# Altium PCB LTE-To-Serial-Adapter.PcbDoc (part 2 of 2)
Units mil, origin at the board's own origin, x right, y up, seen from the top; angles counter-clockwise.
Board outline 3800 x 1540 mil, 4 copper layers (Top Layer, Mid Layer 1 Sig, Mid Layer 2 GND, Bottom Layer), stack 63.912 mil thick; 80 components, 50 nets, 250 pads, 82 vias.
Unrouted connection lines stored in the file: 40.
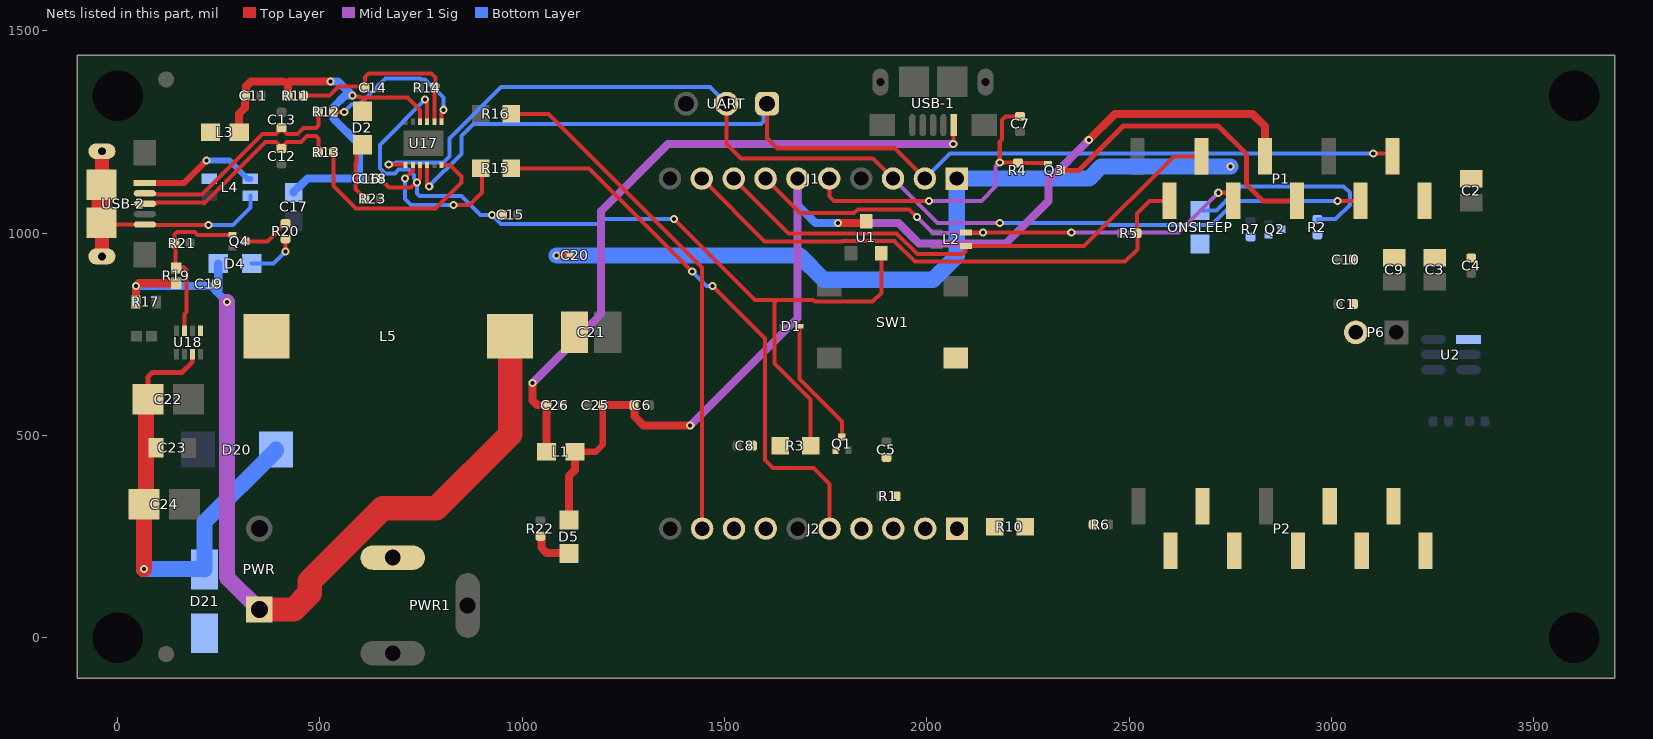
[diagram p4: the nets of this part, all layers, seen from the top]

## Via types
v1: diameter 20, hole 10, Top Layer to Bottom Layer, 76 vias
v2: diameter 19.68, hole 7.87, Top Layer to Bottom Layer, 6 vias

## Nets (pads, with @x,y where several pads share a name; then routed paths per layer and width w, separated by ;. In a path a pad name is that pad's centre, name@x,y a point inside that pad or via, vN(x,y) a via of type N, cw(c..) or ccw(c..) an arc to the next point about the centre after c; other vN are vias at no path point) (continued)
NetD2_1: D2.1 R23.2 | length 150.4
  Top Layer w10: D2.1@605,1218.66 590,1203.66 590,1175 587.88,1172.88 587.88,1109.2 611.1,1085.98 R23.2@611.1,1085
NetD4_1: D4.1 R20.2 | length 127.2
  Top Layer w10: v1(415,955) R20.2@415,986.1
  Bottom Layer w10: D4.1@331.34,925 385,925 v1(415,955)
NetD5_1: D5.1 R22.2 | length 103.4
  Top Layer w20: R22.2@1045,251.1 1045.98,251.1 1047.2,249.88 1047.2,222.8 1060,210 1113.66,210 D5.1@1115,208.66
NetJ2_1: J2.1 R10.1
NetL3_2: L3.2 L4.3
NetL4_1: L4.1 USB-2.5 USB-2.MH1 | length 670.5
  Top Layer w10: USB-2.MH1@-38.57,1021.94 -38.21,1021.57 USB-2.5@67.28,1021.57 68.07,1020.79 224.21,1020.79 v1(225,1020)
  Top Layer w35: USB-2.MH1@-38.57,940.08 USB-2.MH1@-38.57,1021.94 ; USB-2.MH1@-38.57,1118.39 USB-2.MH1@-38.57,1199.92
  Top Layer w50: USB-2.MH1@-39.55,1025.51 USB-2.MH1@-39.55,1117.41
  Bottom Layer w10: v1(225,1020) 285,1020 328,1063 L4.1@328,1093
NetL4_4: L4.4 USB-2.1 | length 303
  Top Layer w15: USB-2.1@67.28,1123.94 163.94,1123.94 v1(220,1180)
  Bottom Layer w15: v1(220,1180) 276,1180 322,1134 L4.4@328,1134
NetONSLEEP_1: ONSLEEP.1 R2.2 | length 525.5
  Bottom Layer w10: ONSLEEP.1@2675,1056.34 2715.17,1056.34 2758.84,1100 2760,1100 2775,1115 3030,1115 3045,1100 3045,1070 3010,1035 2966.1,1035 R2.2@2965,1033.9
NetQ2_3: Q2.3 R2.1
NetQ4_3: Q4.3 R20.1 | length 117.4
  Top Layer w10: Q4.3@315.75,980 370.12,980 414.02,1023.9 R20.1@415,1023.9
PG: Q4.1 R19.1 R21.2 U18.7 | length 413.7
  Top Layer w10: U18.7@165.16,758.94 164.43,759.67 165,760.24 165,800 170,805 170,909.14 164.14,915 146.3,915 R19.1@145,913.7 143.05,915.65 143.05,973.05 R21.2@141.1,975 141.1,996.63 146.96,1002.49 191.15,1002.49 197.89,995.75 Q4.1@284.25,995.75
RESET: C14.2 R11.1 R14.2 U17.2 | length 480.9
  Top Layer w10: R11.1@458.9,1340 524,1340 546,1362 609.1,1362 C14.2@611.1,1360 611.1,1386.1 620,1395 775,1395 785,1385 785,1361.1 R14.2@783.9,1360 782.8,1358.9 782.8,1275.08 U17.2@782.72,1275
RTS#: R15.1 U17.8 | length 361.4
  Top Layer w10: v1(710,1135) 729.49,1154.49 729.49,1168.62 U17.8@729.57,1168.7 ; v1(830,1070) 870,1070 900,1100 900,1157.6 R15.1@897.6,1160
  Bottom Layer w10: v1(710,1135) 710,1085 725,1070 v1(830,1070)
SKY_ADC/RING: J2.2 P2.9
SKY_CTS: J2.9 P2.2 R16.2 | length 1274.8
  Top Layer w10: R16.2@972.4,1295 1065,1295 1444.41,915.59 J2.9@1444.41,270
SKY_DIN: J1.3 P1.3 U17.7 UART.2 | length 2774
  Top Layer w10: v1(670,1170) 670.65,1169.35 711.77,1169.35 711.85,1169.27 U17.7@711.85,1168.7 ; UART.2@1505,1320 1505,1220 1540,1185 1866.18,1185 J1.3@1916.18,1135 ; v1(3015,1080) 3071.73,1080 P1.3@3071.85,1079.88
  Mid Layer 1 Sig w10: J1.3@1916.18,1135 2026.18,1025 v1(2180,1025)
  Bottom Layer w10: v1(670,1170) 671.91,1171.91 685.37,1171.91 688.46,1175 804.85,1175 819.92,1190.08 819.92,1233.96 947.49,1361.53 1463.47,1361.53 UART.2@1505,1320 ; v1(2180,1025) 2446.01,1025 2450.29,1020.72 2703.59,1020.72 2762.88,1080 v1(3015,1080)
SKY_DIO2: J2.3 P2.8
SKY_DIO3: J2.4 P2.7
SKY_DOUT: J1.2 P1.2 U17.10 UART.1 | length 2723.1
  Top Layer w10: U17.10@765,1168.7 765,1122.71 770,1117.71 v1(770,1115) ; UART.1@1605,1320 1605,1235 1630,1210 1919.92,1210 J1.2@1994.92,1135 ; v1(3103,1197) 3143.71,1197 P1.2@3150.59,1190.12
  Bottom Layer w10: v1(770,1115) 770,1116.11 850,1196.11 850,1240 880,1270 1590,1270 1595.86,1275.86 1595.86,1310.86 UART.1@1605,1320 ; J1.2@1994.92,1135 2056.92,1197 v1(3103,1197)
SKY_DTR: J1.9 P1.9 R5.2 | length 1356.9
  Top Layer w10: J1.9@1443.74,1135 1598.74,980 1791.53,980 1791.88,980.35 1920,980.35 1920,980 1970,930 2490,930 2520,960 2520,998.9 R5.2@2518.9,1000 2518.9,1048.9 2550,1080 2599.29,1080 P1.9@2599.41,1079.88
SKY_nRESET: P1.5 Q3.3 | length 749.8
  Top Layer w12: Q3.3@2330.75,1155 2375,1155 2485,1265 2720,1265 2790,1195 2790,1120 2830.12,1079.88 P1.5@2914.37,1079.88
Sky_ON_OFF_SW: C5.1 P6.2 Q1.1 R1.2 R10.2
SKY_ONOFF: D1.2 P2.10 Q1.3 SW1.1 | length 317.8
  Top Layer w10: D1.2@1684.88,770 1684.88,640.12 1790,535 Q1.3@1790,495.75
SKY_ONSLEEP: J2.8 P2.3 Q2.1 R7.2
SKY_RESET: C7.1 J1.5 Q3.1 R4.2 | length 815.1
  Top Layer w10: J1.5@1758.7,1135 1758.7,1091.3 1770,1080 v1(2005,1080) ; C7.1@2230,1288.9 2193.9,1288.9 2185,1280 2185,1231.35 2180,1226.35 v1(2180,1175) 2180.55,1174.45 2224.45,1174.45 R4.2@2225,1173.9 2293.54,1173.9 2296.69,1170.75 Q3.1@2299.25,1170.75
  Mid Layer 1 Sig w10: v1(2005,1080) 2135,1080 2170,1115 2170,1165 v1(2180,1175)
SKY_RTS: J2.5 P2.6 R6.2 R15.2 | length 1396.2
  Top Layer w10: R15.2@972.4,1160 1165,1160 v1(1420,905) ; v1(1470,870) 1600,740 1600,440 1620,420 1720,420 1759.37,380.63 J2.5@1759.37,270
  Bottom Layer w10: v1(1420,905) 1455,870 v1(1470,870)
SKY_USB_N: J1.8 L2.2 P1.8 | length 1340
  Top Layer w10: J1.8@1522.48,1135 1657.83,999.65 1925.35,999.65 1976.61,948.39 2088.39,948.39 2095,955 2095,966.85 L2.2@2096.42,968.27 2388.27,968.27 2610.12,1190.12 P1.8@2678.15,1190.12
SKY_USB_P: J1.7 L2.3 P1.7 | length 1315.2
  Top Layer w10: J1.7@1601.22,1135 1686.22,1050 1820.19,1050 1829.28,1059.09 1955.91,1059.09 v1(1975,1040) ; L2.3@2096.42,1001.73 v1(2138.27,1001.73) v1(2356.73,1001.73) ; v1(2720,1100) 2744.37,1100 2756.89,1087.48 P1.7@2756.89,1079.88
  Mid Layer 1 Sig w10: v1(1975,1040) 2015,1000 2136.54,1000 v1(2138.27,1001.73) ; v1(2356.73,1001.73) 2621.73,1001.73 v1(2720,1100)
SKY_VREF: C8.1 J2.7 P2.4 R3.1
SW: C19.2 L5.1 U18.5
USB_N: C13.2 R12.2 USB-2.2 | length 557.3
  Top Layer w10: USB-2.2@62.73,1095.76 USB-2.2@67.73,1095.76 ; USB-2.2@67.28,1098.35 68.38,1097.25 94.83,1097.25 96.52,1095.55 143.72,1095.55 143.83,1095.65 208.33,1095.65 357.68,1245 391.94,1245 398.17,1251.23 398.17,1254.93 404.35,1261.1 C13.2@405,1261.1 405.65,1261.1 411.83,1254.93 411.83,1251.23 418.06,1245 444.77,1245 459.77,1260 490.24,1260 496.1,1265.86 R12.2@496.1,1300
USB_P: C12.2 R13.2 USB-2.3 | length 554.6
  Top Layer w10: USB-2.3@67.28,1072.76 68.38,1073.86 94.83,1073.86 96.52,1075.55 152.01,1075.55 152.11,1075.65 211.23,1075.65 213.92,1072.96 365.96,1225 391.94,1225 398.17,1218.77 398.17,1215.07 404.35,1208.9 C12.2@405,1208.9 405.65,1208.9 411.83,1215.07 411.83,1218.77 418.06,1225 453.05,1225 468.05,1240 490.24,1240 496.1,1234.14 R13.2@496.1,1200
USBD_N: R12.1 U17.1 | length 377.3
  Top Layer w10: R12.1@533.9,1300 v1(560,1300) ; U17.1@800.43,1275 v1@800.43,1297.73
  Bottom Layer w10: v1(560,1300) 578,1318 598,1318 662,1382 748,1382 750,1380 760,1380 805,1335 v1(805,1305)
USBD_P: R13.1 U17.12 | length 526
  Top Layer w10: R13.1@533.9,1200 533.9,1116.1 589.2,1060.8 785.8,1060.8 850,1125 850,1140 821.38,1168.62 U17.12@800.35,1168.62
VBUS_USB1: C11.2 C16.1 C17.2 D2.2 L3.1 R11.2 U17.4 | length 1086.5
  Top Layer w10: v1(580,1340) 581.91,1338.09 595.9,1338.09 598.99,1335 610,1335 ; D2.2@605,1301.34 610,1306.34 610,1335 ; U17.4@747.28,1275 747.28,1304.2 716.48,1335 610,1335
  Top Layer w20: L3.1@300.43,1250 300.43,1295.43 314.88,1309.88 314.88,1338.78 C11.2@316.1,1340 317.32,1341.22 317.32,1362.32 330,1375 409.38,1375 ; R11.2@421.1,1340 421.1,1371.1 425,1375 v1(526.34,1375)
  Bottom Layer w20: C17.2@435,1100.43 435,1102.4 446.65,1114.06 448.62,1114.06 469.57,1135 575,1135 ; v1(526.34,1375) 545,1375 v1(580,1340) 561.82,1340 533,1311.18 533,1283.1 596.1,1220 C16.1@596.1,1135
VCC_3V9: C1.1 C2.1 C3.1 C4.1 C9.1 C10.1 C20.1 C21.1 D4.2 J1.1 L5.2 ONSLEEP.2 P1.1 PWR.1 R17.2 R19.2 U2.1 | length 4261.3
  Top Layer w10: v1(1085,945) C20.1@1118.02,945
  Top Layer w20: R17.2@44.41,830 45,830.59 v1(45,870) 51.3,876.3 R19.2@145,876.3
  Top Layer w60: PWR.1@350,70 435,70 475,110 475,140 655,320 787.33,320 970,502.67 L5.2@970,745
  Mid Layer 1 Sig w40: v1(270,830) 270,150 PWR.1@350,70
  Bottom Layer w20: v1(45,870) 230,870 248.66,851.34 ; D4.2@248.66,925 248.66,851.34 ; v1(270,830) 248.66,851.34
  Bottom Layer w40: v1(1085,945) 1685,945 1745,885 2015,885 2073.66,943.66 J1.1@2073.66,1135 2400.69,1135 2430.69,1165 v1(2750,1165)
VCC_SKY_VREF: C15.1 C18.2 R3.2 U1.2 U17.3 U17.9 | length 2363.6
  Top Layer w10: C18.2@648.9,1135 648.9,1134.35 670.25,1113 725.29,1113 737.29,1125 v1(740,1125) 740,1127.71 747.28,1134.99 U17.9@747.28,1168.7 ; U17.3@765,1275 v1@765,1322.29 ; v1(925,1045) C15.1@951.1,1045 ; v1(1375,1035) 1575,835 1628.86,835 ; R3.2@1712.4,475 1712.4,588.56 1623,677.96 1623,829.14 1628.86,835 ; U1.2@1887.4,950.63 1887.4,852.4 1865.99,830.99 1723.02,830.99 1719.01,835 1628.86,835
  Bottom Layer w10: v1(760,1330) 647.94,1217.94 647.94,1160.94 660.89,1148 685.5,1148 694.5,1157 719.11,1157 732,1144.11 732,1135.71 740,1127.71 v1(740,1125) 740,1097.86 745.86,1092 849.97,1092 896.97,1045 v1(925,1045) 947,1023 1185.59,1023 1197.59,1035 v1(1375,1035)
VCC_SKY_VUSB: C6.1 C25.1 D5.2 J1.6 L1.1 P1.6 U1.3 | length 2900.8
  Top Layer w15: L1.1@1130.43,460 1181.21,460 1198.9,477.69 C25.1@1198.9,575
  Top Layer w20: D5.2@1115,291.34 1115,400 1130,415 1130,459.57 L1.1@1130.43,460 ; C25.1@1198.9,575 C6.1@1276.1,575 1277.32,573.78 1277.32,547.68 1300,525 v1(1415,525) ; v1(1780,1025) 1845.63,1025 U1.3@1850,1029.37 ; v1(2400,1230) 2465,1295 2805,1295 2835.63,1264.37 P1.6@2835.63,1190.12
  Mid Layer 1 Sig w20: v1(1415,525) 1679.96,789.96 J1.6@1679.96,1135 ; v1(1780,1025) 1930,1025 1980.27,974.73 2194.73,974.73 2300,1080 2300,1130 v1(2400,1230)
  Bottom Layer w20: J1.6@1679.96,1135 1679.96,1070.04 1725,1025 v1(1780,1025)
VCC_USB_5V0: C26.1 L1.2 USB-1.1 | length 1681.5
  Top Layer w10: v1(2065,1220) 2065.67,1220.67 2065.67,1266.6 USB-1.1@2066.35,1267.27
  Top Layer w20: v1(1025,630) 1025,586.72 1036.72,575 C26.1@1061.1,575 1060.33,574.23 1060.33,460.77 L1.2@1059.57,460
  Mid Layer 1 Sig w20: v1(1025,630) 1195,800 1195,1055 1360,1220 v1(2065,1220)
VDC_9_24V: D21.2 PWR1.1
VIN: C22.1 C23.1 C24.1 D20.1 D21.1 U18.3 | length 1168.5
  Top Layer w12: C22.1@74.76,590 75,590.24 75,645 85.71,655.71 158.84,655.71 184.54,681.41 184.54,700.76 U18.3@184.84,701.06
  Top Layer w20: 69.76,470 C23.1@94.65,470
  Top Layer w40: v1(65,170) 65,329.76 C24.1@64.76,330 69.76,335 69.76,470 69.76,585 C22.1@74.76,590
  Bottom Layer w40: v1(65,170) 213.74,170 D21.1@215,168.74 215,286.57 391.46,463.03 D20.1@391.46,465
pads on no net: PWR1.2 SW1.2 U17.6 U18.1 U18.2 USB-1.4 USB-1.7 USB-1.8 USB-2.4 USB-2.7 USB-2.8

## Polygon pours and split planes (outlines as drawn)
VCC_3V9 on Top Layer "Top VCC_3V9" (solid, remove dead copper, pour order 19): 2720,660 2690,690 2690,1195 2750,1255 3380,1255 3455,1180 3455,815 3300,660
GND on Top Layer "Top PWR GND" (solid, remove dead copper, pour order 5): 125,675 230,675 270,635 315,635 410,540 410,205 380,175 135,175 105,205 110.42,210.42 110.42,660.42
VCC_3V9 on Top Layer "Mid Layer 2 VCC_3V9" (solid, remove dead copper, pour order 2): 890,950 935,995 1175,995 1185,985 1185,675 1170,660 905,660 890,675
GND on Top Layer "Top GND" (solid, remove dead copper, pour order 16): 1085,840 1088.58,836.42 1338.58,836.42 1400,775 1400,570 1330,500 1100,500 1060,540 1060,820 1075,835 1095,835
SW on Top Layer "Top SW" (solid, remove dead copper, pour order 18): 195,895 390,895 448.95,836.05 448.95,663.95 430,645 250,645 195,700
GND on Bottom Layer "Bottom GND" (solid, remove dead copper, pour order 11): 220,330 300,410 1300,410 1410,300 1410,200 1375,165 220,165
GND on Bottom Layer "Bottom GND" (solid, remove dead copper, pour order 6): -55,775 -30,800 380,800 445,735 445,235 375,165 -35,165 -55,190 -55,195
VDC_9_24V on Bottom Layer "VDC_9_24V" (solid, remove dead copper, pour order 22): 435,85 605,255 810,255 820,245 820,45 795,20 460,20 375,-65 160,-65 120,-25 120,65 140,85 120,65 140,85
GND on Bottom Layer "Bottom GND" (solid, remove dead copper, pour order 12): 1145,850 1620,850 1670,800 1740,800 1800,740 1800,155 1785,140 1780,145 1185,145 1145,185
GND on Mid Layer 2 GND "MID-2 GND" (solid, remove dead copper, pour order 21): -95,1435 3695,1435 3700,1440 3700,-95 -105,-95 -100,-90 -100,1440

## Keep-outs
Keep-Out Layer:
  rectangle: 480,465 880,1045
  lines w10: -100,-100 -100,1440 3700,1440 3700,-100 -100,-100
  text ".Layer_Name" at 5625,3885 h100

## Other copper
Top Layer:
  text ".Layer_Name" at 5515,3870 h100
  text "TOP" at 7453.54,3862.84 h60
Mid Layer 1 Sig:
  text "MID1" at 7468.54,3877.84 h60
  text ".Layer_Name" at 5535,3860 h100
Mid Layer 2 GND:
  text "MID2" at 7443.54,3887.84 h60
  text ".Layer_Name" at 5550,3870 h90
Bottom Layer:
  text ".Layer_Name" at 5570,3880 h100
  text "BOT" at 7483.54,3877.84 h60
Multi-Layer:
  text ".Pcb_File_Name" at -3535,-1760 h100

## Silkscreen, mask and mechanical layers (free items; w line width, h text height)
Top Overlay:
  lines w5: 1360,830 1600,830 ; 1370,1010 1600,1010 ; 1480,830 1480,895 ; 1485,1010 1480,1010 1480,935 1520,895
  text ".Layer_Name" at 5660,3850 h100
  text "G" at 2272,1197 h25
  text "3V9" at 2132,1178 h30 r270
  text "D" at 2357,1137 h25
  text "S" at 2272,1087 h25
  text "1" at 3280,1060 h40
  text "GND" at 1332,1057 h30
  text "SW" at 299.5,902 h30
  text "3V9" at 987.35,883.76 h30
  text "G" at 1767,417 h25
  text "S" at 1802,417 h25
  text "10-24V" at 545,370 h50
  text "VIN" at 22,227 h30
  text "GND" at 137,227 h30
  text "20" at 3275,205 h40
  text "LTE-To-Serial-Adapter" at 1282,67 h30
  text "Rev01" at 1292,7 h30
Bottom Overlay:
  text ".Layer_Name" at 5540,3870 h100
  text "P1" at 3358,1242 h30
  text "10" at 2117,1232 h30
  text "1" at 2143,1067 h30
  text "1" at 3295,1060 h40
  text "D" at 2923,992 h25
  text "G" at 2853,937 h25
  text ".Print_Date" at 6105,880 h100
  text ".Print_Time" at 6135,700 h100
  text "P2" at 3348,352 h30
  text "4" at 598,347 h30
  text "3" at 848,347 h30
  text "2" at 593,252 h30
  text "1" at 848,252 h30
  text "20" at 2183,207 h30
  text "20" at 3350,205 h40
  text "11" at 1370,170 h40
Top Paste:
  text ".Layer_Name" at 5540,3875 h100
  text ".Print_Date" at 6105,875 h100
  text ".Print_Time" at 6110,700 h100
  text ".Print_Date" at 6115,311 h100
  text ".Print_Time" at 6140,96 h100
Bottom Paste:
  text ".Layer_Name" at 5565,3865 h100
  text ".Print_Date" at 6105,875 h100
  text ".Print_Time" at 6110,700 h100
  text ".Print_Date" at 6143,301 h100
  text ".Print_Time" at 6149,115 h100
Top Solder:
  text ".Layer_Name" at 5635,3860 h100
  text ".Print_Date" at 6115,292 h100
  text ".Print_Time" at 6149,105 h100
Bottom Solder:
  text ".Layer_Name" at 5585,3870 h100
  text ".Print_Date" at 6124,301 h100
  text ".Print_Time" at 6149,115 h100
Drill Guide:
  text ".Layer_Name" at 5550,3860 h100
  text ".Print_Date" at 6120,870 h100
  text ".Print_Time" at 6115,690 h100
Mechanical 1:
  drawing of 370 lines, arcs and shapes, not listed
  text "MECH1" at 7413.54,3877.84 h60
  text ".Layer_Name" at 5560,3875 h100
  text "Layer" at -1137.5,3532.5 h60
  text "Name" at -727.59,3532.5 h60
  text "Material" at 282.13,3532.5 h60
  text "Thickness" at 1141.9,3532.5 h60
  text "Constant" at 1791.73,3532.5 h60
  text "Board Layer Stack" at 2361.59,3532.5 h60
  text "Top Overlay" at -727.59,3412.5 h60
  text "Top Solder" at -727.59,3292.5 h60
  text "Solder Resist" at 282.13,3292.5 h60
  text "0.40mil" at 1141.9,3292.5 h60
  text "3.5" at 1791.73,3292.5 h60
  text "1" at -1137.5,3172.5 h60
  text "Top Layer" at -727.59,3172.5 h60
  text "CF-004" at 282.13,3172.5 h60
  text "1.38mil" at 1141.9,3172.5 h60
  text "Dielectric 1" at -727.59,3052.5 h60
  text "PP-017" at 282.13,3052.5 h60
  text "5.10mil" at 1141.9,3052.5 h60
  text "4.3" at 1791.73,3052.5 h60
  text "Dielectric 1A" at -727.59,2932.5 h60
  text "PP-016" at 282.13,2932.5 h60
  text "4.60mil" at 1141.9,2932.5 h60
  text "4.4" at 1791.73,2932.5 h60
  text "2" at -1137.5,2812.5 h60
  text "Mid Layer 1 Sig" at -727.59,2812.5 h60
  text "CF-004" at 282.13,2812.5 h60
  text "1.38mil" at 1141.9,2812.5 h60
  text "Core" at -727.59,2692.5 h60
  text "FR-4" at 282.13,2692.5 h60
  text "39.00mil" at 1141.9,2692.5 h60
  text "4.8" at 1791.73,2692.5 h60
  text "3" at -1137.5,2572.5 h60
  text "Mid Layer 2 GND" at -727.59,2572.5 h60
  text "CF-004" at 282.13,2572.5 h60
  text "1.38mil" at 1141.9,2572.5 h60
  text "Dielectric 4" at -727.59,2452.5 h60
  text "PP-016" at 282.13,2452.5 h60
  text "4.60mil" at 1141.9,2452.5 h60
  text "4.4" at 1791.73,2452.5 h60
  text "Dielectric 2" at -727.59,2332.5 h60
  text "PP-017" at 282.13,2332.5 h60
  text "5.10mil" at 1141.9,2332.5 h60
  text "4.3" at 1791.73,2332.5 h60
  text "4" at -1137.5,2212.5 h60
  text "Bottom Layer" at -727.59,2212.5 h60
  text "CF-004" at 282.13,2212.5 h60
  text "1.38mil" at 1141.9,2212.5 h60
  text "Bottom Solder" at -727.59,2092.5 h60
  text "Solder Resist" at 282.13,2092.5 h60
  text "0.40mil" at 1141.9,2092.5 h60
  text "3.5" at 1791.73,2092.5 h60
  text "Bottom Overlay" at -727.59,1972.5 h60
  text "1165 (mil)" at 1754,676 h10 r90
Top Partial Assembly:
  text ".Layer_Name" at 5575,3875 h100
Board Outline:
  the board outline again, w10
  text ".Layer_Name" at 5525,3870 h100
  text ".Print_Date" at 6115,860 h100
  text ".Print_Time" at 6120,700 h100
Template:
  lines w5: -875,-1060 -715,-1060 ; -837.5,-1097.5 -762.5,-1022.5 ; -837.5,-1022.5 -762.5,-1097.5 ; -800,-1140 -800,-980
  lines w10: -6898.31,-1744.54 -6698.31,-1744.54 ; -6898.31,630.46 -6698.31,630.46 ; -5293,1877.85 -4618,1877.85 ; -4955,2190.85 -4280,2190.85 ; -4398.31,-4119.54 -4398.31,-3919.54 ; -4398.31,5180.46 -4398.31,5380.46 ; -4193,1877.85 -3418,1877.85 ; -4143,2690.85 -3468,2690.85 ; -3968,2440.85 -3343,2440.85 ; -1898.31,-4119.54 -1898.31,-3919.54 ; -1898.31,5180.46 -1898.31,5380.46 ; -85.81,-3919.54 -85.81,-3309.54 4896.69,-3309.54 ; 601.69,-4119.54 601.69,-3919.54 ; 601.69,5180.46 601.69,5380.46 ; 3101.69,-4119.54 3101.69,-3919.54 ; 3101.69,5180.46 3101.69,5380.46 ; 4896.69,-3919.54 4896.69,-3309.54 ; 4896.69,-3609.54 7896.69,-3609.54 ; 4896.69,-3009.54 7896.69,-3009.54 ; 4896.69,-1915.04 4896.69,-2415.54 4896.69,-2709.54 ; 4897.69,-2415.54 7897.69,-2415.54 ; 4897.69,-1915.04 7901.69,-1915.04 ; 5601.69,-4119.54 5601.69,-3919.54 ; 5601.69,5180.46 5601.69,5380.46 ; 6401.69,-3909.54 6401.69,-3309.54 ; 7411.69,-910.04 7412.69,-910.04 ; 7896.69,-3309.54 4896.69,-3309.54 ; 7896.69,-2709.54 4896.69,-2709.54 ; 7901.69,-2719.54 7901.69,-3919.54 ; 7901.69,-1744.54 8101.69,-1744.54 ; 7901.69,630.46 8101.69,630.46 ; 7901.69,3005.46 8101.69,3005.46 ; 4896.69,-3309.54 4896.69,-2709.54 ; 7901.69,-3919.54 7901.69,5180.46 -6698.31,5180.46 -6698.31,-3919.54 7901.69,-3919.54 ; -6898.31,-4119.54 -6898.31,5380.46 8101.69,5380.46 8101.69,-4119.54 -6898.31,-4119.54
  lines w25: 3373,4957 cw(c3473,4957) 3473,5057 ; 3375,3860 3375,4960 ; 3375,3861 ccw(c3476,3861) 3474.24,3760.01 ; 3474.13,3810.01 cw(c3475,3860) 3425,3860 3425,3960 cw(c3475,3960) 3475,4010 5150,4010 cw(c5150,3960) 5200,3960 5200,3860 ; 3474.13,4060.01 cw(c3475,4110) 3425,4110 3425,4335 cw(c3475,4335) 3475,4385 4225,4385 ; 3475,3760 7675,3760 ; 3475,3810 5150,3810 ; 3475,4060 4225,4060 ; 3475,5060 7675,5060 cw(c7675,4960) 7775,4960 7775,3860 ; 4224.29,4384.97 cw(c4226,4336) 4275,4336 ; 4225,4435 3475,4435 cw(c3475,4485) 3425,4485 3425,4710 cw(c3475,4710) 3475,4760 4225,4760 ; 4226,4760 cw(c4226,4711) 4275,4711 ; 4227,4060 ccw(c4227,4108) 4275,4108 ; 4227,4435 ccw(c4227,4483) 4275,4483 ; 4275,4110 4275,4335 ; 4275,4485 4275,4710 ; 4325,4109 ccw(c4374,4109) 4374,4060 ; 4325,4110 4325,4235 cw(c4375,4235) 4375,4285 5975,4285 ; 4325,4384 ccw(c4374,4384) 4374,4335 ; 4325,4385 4325,4710 cw(c4375,4710) 4375,4760 6425,4760 cw(c6425,4710) 6475,4710 6475,4385 ; 4375,4060 5975,4060 ; 4375,4335 6425,4335 ; 5151.16,3810 ccw(c5152,3858) 5199.98,3859.68 ; 5299.13,3810.01 cw(c5300,3860) 5250,3860 5250,3960 cw(c5300,3960) 5300,4010 6975,4010 cw(c6975,3960) 7025,3960 7025,3860 ; 5300,3810 6975,3810 ; 5976,4060 ccw(c5976,4109) 6024.99,4109.85 ; 5976,4285 cw(c5976,4236) 6025,4236 ; 6025,4110 6025,4235 ; 6075,4110 6075,4235 ; 6075,4111 ccw(c6126,4111) 6125.11,4060.01 ; 6075.07,4234.49 cw(c6123,4237) 6123,4285 ; 6125,4060 6425,4060 ccw(c6425,4110) 6475,4110 6475,4235 ; 6125,4285 6425,4285 ; 6426,4285 cw(c6426,4236) 6475,4236 ; 6426,4337 ccw(c6426,4387) 6476,4387 ; 6525,4109 ccw(c6574,4109) 6574.86,4060.01 ; 6525,4110 6525,4235 cw(c6575,4235) 6575,4285 7675,4285 ; 6575,4060 7675,4060 ccw(c7675,4110) 7725,4110 ; 6976.16,3810 ccw(c6977,3858) 7024.98,3859.68 ; 7075,3859 ccw(c7124,3859) 7124.86,3810.01 ; 7075,3860 7075,3960 cw(c7125,3960) 7125,4010 ; 7118.54,4013.84 7668.54,4013.84 ; 7125,3810 7675,3810 ; 7672,4335.5 ccw(c7672,4385.5) 7722,4385.5 ; 7672.54,3808.84 ccw(c7672.54,3858.84) 7722.54,3858.84 ; 7674.29,4771.97 cw(c7676,4723) 7725,4723 ; 7675,4010.01 cw(c7675,3960) 7725,3960.87 ; 7675,4335 6575,4335 cw(c6575,4385) 6525,4385 6525,4752.84 cw(c6548,4752.84) 6548,4775.84 7675,4772 ; 7675.54,3758.84 ccw(c7675.54,3858.84) 7775.54,3858.84 ; 7677,4282.5 cw(c7677,4233.5) 7726,4233.5 ; 7725,3860 7725,3960 ; 7725,4385 7725,4728.5 ; 7727,4110 7727,4228
  text "1" at -5666.97,5250.46 h70
  text "2" at -3171.31,5250.46 h70
  text "3" at -681.96,5250.46 h70
  text "4" at 1824.71,5250.46 h70
  text "5" at 4323.69,5250.46 h70
  text "6" at 6828.69,5250.46 h70
  text "NOTES:" at -6495,4977 h90
  text ".Layer_Name" at 5255,4875 h100
  text "TITLE:" at 4362.5,4672.5 h45
  text "ENGINEER:" at 3475,4660 h45
  text "Roman Chak" at 3550,4535 h60
  text "/1/ The vendor shall be UL approved to a minimum catagory of 94v2. The vendor I.D. shall be silkscreened on the top side of the board." at -6593,4497 h90
  text "PCBA, UVDI-360 LTE ADAPTER BOARD" at 4413.54,4482.83 h60
  text "2. The UL marking shall appear in copper or silkscreen" at -6469,4400.99 h90
  text "ENGINEER:" at 3475,4280 h45
  text "PART NO.:" at 4375,4197.5 h45
  text "DATE:" at 6575,4197.5 h45
  text "XXXXXXXX" at 3475,4185 h50
  text "3. BOARD MUST BE IDENTIFIED WITH APPROPRIATE VENDOR UL IDENTIFACTION MARK,DATE CODE" at -6479,4164 h90
  text "29-9020" at 5048.54,4157.84 h60
  text "C" at 6287.5,4122.5 h90
  text ".Print_Date" at 6800,4122.5 h90
  text "A" at -6823.31,4107.46 h70
  text "A" at 7976.69,4107.46 h70
  text "PHONE:XXX-XXXX-XXXX" at 3475,4097.5 h45
  text "4. PCB MATERIAL UL FLAMMIBILITY RATING(94V-0 MINIMUM)" at -6492,3930 h90
  text "FILE NAME:" at 3475,3920 h45
  text "LAYER:" at 5315,3920 h45
  text "GERBER:" at 7135,3920 h45
  text ".Pcb_File_Name_No_Path" at 3875,3860 h60
  text "5. ALL DIMESION TOLERANCE AS BELOW UNLESS OTHERWISE SPECIFIED." at -6479,3708 h90
  text "6. PCB LAYERS :" at -6479,3474 h90
  text "4 LAYERs" at -5014,3474 h90
  text "62 mil +/-10%" at -5029,3209 h90
  text "7. PCB THICKNESS :" at -6479,3203 h90
  text "TRACE WIDTHS TO BE FINISHED SIZES+/-1MIL" at -6307,2957 h90
  text "8." at -6467,2944 h90
  text "WHITE" at -4068,2725.85 h90
  text "9. TOP SIDE SILKSCREEN :" at -6455,2686 h90
  text "BOTTOM SIDE SILKSCREEN:" at -6193,2465.85 h90
  text "WHITE" at -3893,2465.85 h90
  text "GREEN" at -4805,2215.85 h90
  text "10. SOLDER MASK :" at -6467,2193 h90
  text ",BOTH SIDES" at -4280,2190.85 h90
  text "TG:" at -4568,1952.85 h90
  text "11. MATERIAL :" at -6455,1947 h90
  text "HF_FR4" at -5223,1937.85 h90
  text "150" at -3968,1927.85 h90
  text "CELSIUS" at -3243,1927.85 h90
  text "B" at -6823.31,1727.46 h70
  text "B" at 7976.69,1727.46 h70
  text "12. PLATING :" at -6467,1651 h90
  text "IMMERSION GOLD (ENIG)" at -5430.6,1645.89 h90
  text "+/- 0.13mm" at -3338,1429 h90
  text "13. PCB Outline Dimension Tol:" at -6467,1417 h90
  text "ROUTING :" at -4262,1417 h90
  text "14. Fabricate per IPC-6012A CLASS 2" at -6457,1182 h90
  text ".Print_Date" at 6140,300 h100
  text ".Print_Time" at 6155,100 h100
  text "C" at -6823.31,-647.54 h70
  text "C" at 7976.69,-647.54 h70
  text "PROJECT TITLE:" at 4936.69,-2508.54 h45
  text ".PRJ_Title" at 4986.69,-2641.87 h70
  text "DESIGNED FOR:" at 4936.69,-2809.54 h45
  text ".PRJ_Customer" at 4986.69,-2949.54 h70
  text "D" at -6823.31,-3017.54 h70
  text "D" at 7976.69,-3017.54 h70
  text "FILE NAME:" at 4936.69,-3109.54 h45
  text ".PCB_File_Name_No_Path" at 4986.69,-3229.54 h70
  text "ENGINEER:" at 4936.69,-3399.54 h45
  text "LAYOUT BY:" at 6441.69,-3399.54 h45
  text ".PRJ_Engineer" at 4986.69,-3554.53 h70
  text ".PCB_Layout" at 6492.19,-3554.53 h70
  text "ALTIUM DESIGNER VERSION:" at 6441.69,-3709.54 h45
  text ".print_Scale" at 4986.69,-3842.87 h70
  text ".Application_BuildNumber" at 6492.19,-3842.87 h70
  text "1" at -5666.97,-4049.54 h70
  text "2" at -3171.31,-4049.54 h70
  text "3" at -681.96,-4049.54 h70
  text "4" at 1824.71,-4049.54 h70
  text "5" at 4323.69,-4049.54 h70
  text "WO # : 307464-7462-D" at 6828.69,-4049.54 h70
Dimentions M15:
  lines w1: 4086.67,310 4100,270 ; 4086.67,1095 4100,1135 ; 4099,270 4101,270 ; 4099,1135 4101,1135 ; 4100,534.88 4100,270 ; 4100,870.12 4100,1135 ; 4113.33,310 4100,270 ; 4113.33,1095 4100,1135 ; 4301.67,710 4315,670 ; 4301.67,1400 4315,1440 ; 4302.87,629.93 4316,670 ; 4306.46,-60.07 4320,-100 ; 4314,670 4316,670 ; 4314,1440 4316,1440 ; 4315,887.38 4315,670 ; 4315,1222.62 4315,1440 ; 4316.85,505.93 4316,670 ; 4317,670.01 4315,669.99 ; 4319,-100.01 4321,-99.99 ; 4319.15,64.07 4320,-100 ; 4328.33,710 4315,670 ; 4328.33,1400 4315,1440 ; 4329.54,630.07 4316,670 ; 4333.13,-59.93 4320,-100 ; 4506.67,-60 4520,-100 ; 4506.67,1395 4520,1435 ; 4519,-100 4521,-100 ; 4519,1435 4521,1435 ; 4520,483.22 4520,-100 ; 4520,851.78 4520,1435 ; 4533.33,-60 4520,-100 ; 4533.33,1395 4520,1435
  lines w7: -310,670 4380,670 ; 3285,270 4145,270 ; 3285,1135 4160,1135 ; 3595,1440 4550,1435 ; 3610,-100 4575,-100
  text "770 (mil)" at 4335.99,897.38 h40 r90
  text "865 (mil)" at 4120.99,544.88 h40 r90
  text "770.01 (mil)" at 4295.91,495.82 h40 r270.3
  text "1535 (mil)" at 4540.99,493.22 h40 r90
Drill Drawing:
  lines w10: -5935.27,5946.66 -5918.6,5946.66 -5901.94,5929.99 -5885.27,5946.66 -5868.6,5946.66 -5885.27,5963.33 -5868.6,5979.99 -5885.27,5979.99 -5901.94,5996.66 -5918.6,5979.99 -5935.27,5979.99 -5918.6,5963.33 -5935.27,5946.66 ; -5935.27,6079.99 -5935.27,6096.66 -5918.6,6113.33 -5935.27,6129.99 -5935.27,6146.66 -5918.6,6146.66 -5901.94,6129.99 -5885.27,6146.66 -5868.6,6146.66 -5868.6,6129.99 -5885.27,6113.33 -5868.6,6096.66 -5868.6,6079.99 -5885.27,6079.99 -5901.94,6096.66 -5918.6,6079.99 -5935.27,6079.99 ; -5935.27,6229.99 -5868.6,6229.99 -5868.6,6296.66 -5935.27,6296.66 -5935.27,6229.99 ; -5935.27,6446.66 -5868.6,6446.66 -5901.94,6379.99 -5935.27,6446.66 ; -5935.27,6563.33 -5901.94,6529.99 -5868.6,6563.33 -5901.94,6596.66 -5935.27,6563.33 ; -5935.27,6679.99 -5901.94,6696.66 -5868.6,6679.99 -5885.27,6713.33 -5868.6,6746.66 -5901.94,6729.99 -5935.27,6746.66 -5918.6,6713.33 -5935.27,6679.99 ; -5935.27,6896.66 -5868.6,6896.66 -5901.94,6829.99 -5935.27,6896.66 ; -5935.27,6979.99 -5868.6,6979.99 -5868.6,7046.66 -5935.27,7046.66 -5935.27,6979.99 ; -5935.27,7146.66 -5918.6,7146.66 -5918.6,7129.99 -5885.27,7129.99 -5885.27,7146.66 -5868.6,7146.66 -5868.6,7179.99 -5885.27,7179.99 -5885.27,7196.66 -5918.6,7196.66 -5918.6,7179.99 -5935.27,7179.99 -5935.27,7146.66 ; -5921.94,6243.33 -5881.94,6243.33 -5881.94,6283.33 -5921.94,6283.33 -5921.94,6243.33 ; -5921.94,6433.33 -5881.94,6433.33 -5901.94,6393.33 -5921.94,6433.33
  lines w15: -5995.06,5884.99 7643.09,5884.99 ; -5995.06,7234.99 7643.09,7234.99 ; -5444.19,5734.99 -5444.19,7384.99 ; -4854.34,5734.99 -4854.34,7384.99 ; -3714.67,5734.99 -3714.67,7384.99 ; -3208.8,5734.99 -3208.8,7384.99 ; -2475,5734.99 -2475,7384.99 ; -975.45,5734.99 -975.45,7384.99 ; -385.6,5734.99 -385.6,7384.99 ; 360.2,5734.99 360.2,7384.99 ; 1569.84,5734.99 1569.84,7384.99 ; 2423.61,5734.99 2423.61,7384.99 ; 3757.22,5734.99 3757.22,7384.99 ; 5090.82,5734.99 5090.82,7384.99 ; 6240.49,5734.99 6240.49,7384.99 ; -5995.06,5734.99 7643.09,5734.99 7643.09,7384.99 -5995.06,7384.99 -5995.06,5734.99
  text "Symbol" at -5905.06,7279.99 h72
  text "Count" at -5399.19,7279.99 h72
  text "Hole Size" at -4809.34,7279.99 h72
  text "Plated" at -3669.67,7279.99 h72
  text "Hole Type" at -3163.8,7279.99 h72
  text "Drill Layer Pair" at -2430,7279.99 h72
  text "Via/Pad" at -930.45,7279.99 h72
  text "Pad Shape" at -340.6,7279.99 h72
  text "Template" at 405.2,7279.99 h72
  text "Description" at 1614.84,7279.99 h72
  text "Hole Tolerance (+)" at 2468.61,7279.99 h72
  text "Hole Tolerance (-)" at 3802.22,7279.99 h72
  text "Hole Length" at 5135.82,7279.99 h72
  text "Routed Path Length" at 6285.49,7279.99 h72
  text "1" at -5399.19,7129.99 h60
  text "39.37mil (1.000mm)" at -4809.34,7129.99 h60
  text "PTH" at -3669.67,7129.99 h60
  text "Slot" at -3163.8,7129.99 h60
  text "Top Layer - Bottom Layer" at -2430,7129.99 h60
  text "Pad" at -930.45,7129.99 h60
  text "Rounded" at -340.6,7129.99 h60
  text "r152_406h100_350r76" at 405.2,7129.99 h60
  text "137.79mil (3.500mm)" at 5135.82,7129.99 h60
  text "98.43mil (2.500mm)" at 6285.49,7129.99 h60
  text "2" at -5399.19,6979.99 h60
  text "39.37mil (1.000mm)" at -4809.34,6979.99 h60
  text "PTH" at -3669.67,6979.99 h60
  text "Slot" at -3163.8,6979.99 h60
  text "Top Layer - Bottom Layer" at -2430,6979.99 h60
  text "Pad" at -930.45,6979.99 h60
  text "Rounded" at -340.6,6979.99 h60
  text "r152_406h100_300r76" at 405.2,6979.99 h60
  text "118.11mil (3.000mm)" at 5135.82,6979.99 h60
  text "78.74mil (2.000mm)" at 6285.49,6979.99 h60
  text "2" at -5399.19,6829.99 h60
  text "42.00mil (1.067mm)" at -4809.34,6829.99 h60
  text "PTH" at -3669.67,6829.99 h60
  text "Round" at -3163.8,6829.99 h60
  text "Top Layer - Bottom Layer" at -2430,6829.99 h60
  text "Pad" at -930.45,6829.99 h60
  text "(Mixed)" at -340.6,6829.99 h60
  text "(Mixed)" at 405.2,6829.99 h60
  text "-" at 5135.82,6829.99 h60
  text "-" at 6285.49,6829.99 h60
  text "3" at -5399.19,6679.99 h60
  text "39.37mil (1.000mm)" at -4809.34,6679.99 h60
  text "PTH" at -3669.67,6679.99 h60
  text "Round" at -3163.8,6679.99 h60
  text "Top Layer - Bottom Layer" at -2430,6679.99 h60
  text "Pad" at -930.45,6679.99 h60
  text "(Mixed)" at -340.6,6679.99 h60
  text "(Mixed)" at 405.2,6679.99 h60
  text "-" at 5135.82,6679.99 h60
  text "-" at 6285.49,6679.99 h60
  text "4" at -5399.19,6529.99 h60
  text "19.69mil (0.500mm)" at -4809.34,6529.99 h60
  text "PTH" at -3669.67,6529.99 h60
  text "Slot" at -3163.8,6529.99 h60
  text "Top Layer - Bottom Layer" at -2430,6529.99 h60
  text "Pad" at -930.45,6529.99 h60
  text "Rounded" at -340.6,6529.99 h60
  text "r170_100h50_120r50" at 405.2,6529.99 h60
  text "47.24mil (1.200mm)" at 5135.82,6529.99 h60
  text "27.56mil (0.700mm)" at 6285.49,6529.99 h60
  text "4" at -5399.19,6379.99 h60
  text "125.00mil (3.175mm)" at -4809.34,6379.99 h60
  text "NPTH" at -3669.67,6379.99 h60
  text "Round" at -3163.8,6379.99 h60
  text "Top Layer - Bottom Layer" at -2430,6379.99 h60
  text "Pad" at -930.45,6379.99 h60
  text "Rounded" at -340.6,6379.99 h60
  text "c0hn318" at 405.2,6379.99 h60
  text "-" at 5135.82,6379.99 h60
  text "-" at 6285.49,6379.99 h60
  text "6" at -5399.19,6229.99 h60
  text "7.87mil (0.200mm)" at -4809.34,6229.99 h60
  text "PTH" at -3669.67,6229.99 h60
  text "Round" at -3163.8,6229.99 h60
  text "Top Layer - Bottom Layer" at -2430,6229.99 h60
  text "Via" at -930.45,6229.99 h60
  text "Rounded" at -340.6,6229.99 h60
  text "v50h20" at 405.2,6229.99 h60
  text "-" at 5135.82,6229.99 h60
  text "-" at 6285.49,6229.99 h60
  text "22" at -5399.19,6079.99 h60
  text "35.43mil (0.900mm)" at -4809.34,6079.99 h60
  text "PTH" at -3669.67,6079.99 h60
  text "Round" at -3163.8,6079.99 h60
  text "Top Layer - Bottom Layer" at -2430,6079.99 h60
  text "Pad" at -930.45,6079.99 h60
  text "(Mixed)" at -340.6,6079.99 h60
  text "(Mixed)" at 405.2,6079.99 h60
  text "-" at 5135.82,6079.99 h60
  text "-" at 6285.49,6079.99 h60
  text "76" at -5399.19,5929.99 h60
  text "10.00mil (0.254mm)" at -4809.34,5929.99 h60
  text "PTH" at -3669.67,5929.99 h60
  text "Round" at -3163.8,5929.99 h60
  text "Top Layer - Bottom Layer" at -2430,5929.99 h60
  text "Via" at -930.45,5929.99 h60
  text "Rounded" at -340.6,5929.99 h60
  text "v51h25" at 405.2,5929.99 h60
  text "-" at 5135.82,5929.99 h60
  text "-" at 6285.49,5929.99 h60
  text "120 Total" at -5399.19,5779.99 h60
  text "Slot definitions :" at -5905.06,5635.02 h60
  text "Routed Path Length" at -4872.37,5635.02 h60
  text "= Calculated from tool start centre position to tool end centre position." at -3769.71,5635.02 h60
  text "Hole Length" at -4872.37,5535.05 h60
  text "= Routed Path Length + Tool Size = Slot length as defined in the PCB layout" at -4179.57,5535.05 h60
  text ".Layer_Name" at 5570,3850 h100
  text ".Print_Date" at 6140,295 h100
  text ".Print_Time" at 6155,115 h100

## Dimensions
0,0 to 3600,0 on Dimentions M15
-100,-100 to 3700,-100 on Dimentions M15

## Text inside footprints (layer, text, board x,y; h text height)
USB-1: Mechanical 1 "v01" at 1952.01,1581.69 h19.68; Mechanical 1 "4.8 mm" at 1970.87,1203.3 h15.75; Mechanical 1 "1.9mm" at 1796.66,1426.72 h15.75 r90; Mechanical 1 "1.5mm" at 2260.24,1345.03 h15.75 r90; Mechanical 1 "0.5mm" at 2025.01,1533.02 h15.75 r90; Mechanical 1 "4.3mm" at 2052.57,1628.49 h15.75 r180; Mechanical 1 "6.11 mm" at 2060.44,1659.99 h15.75 r180; Mechanical 1 "2.5mm" at 2296.66,1339.12 h15.75 r90; Mechanical 1 "8.075 mm" at 1965.95,1162.94 h15.75; Mechanical 1 "3.45" at 1728.58,1288.39 h15.75 r90
USB-2: Mechanical 1 "3.45" at 46.17,786.17 h15.75 r180; Mechanical 1 "8.075 mm" at 171.61,1023.54 h15.75 r90; Mechanical 1 "2.5mm" at -4.57,1354.25 h15.75 r180; Mechanical 1 "6.11 mm" at -325.43,1118.03 h15.75 r270; Mechanical 1 "4.3mm" at -293.94,1110.16 h15.75 r270; Mechanical 1 "0.5mm" at -198.46,1082.6 h15.75 r180; Mechanical 1 "1.5mm" at -10.47,1317.83 h15.75 r180; Mechanical 1 "1.9mm" at -92.17,854.25 h15.75 r180; Mechanical 1 "4.8 mm" at 131.26,1028.46 h15.75 r90; Mechanical 1 "v01" at -247.14,1009.6 h19.68 r90